# KiCad board cm4-printing-deck-keyboard.kicad_pcb
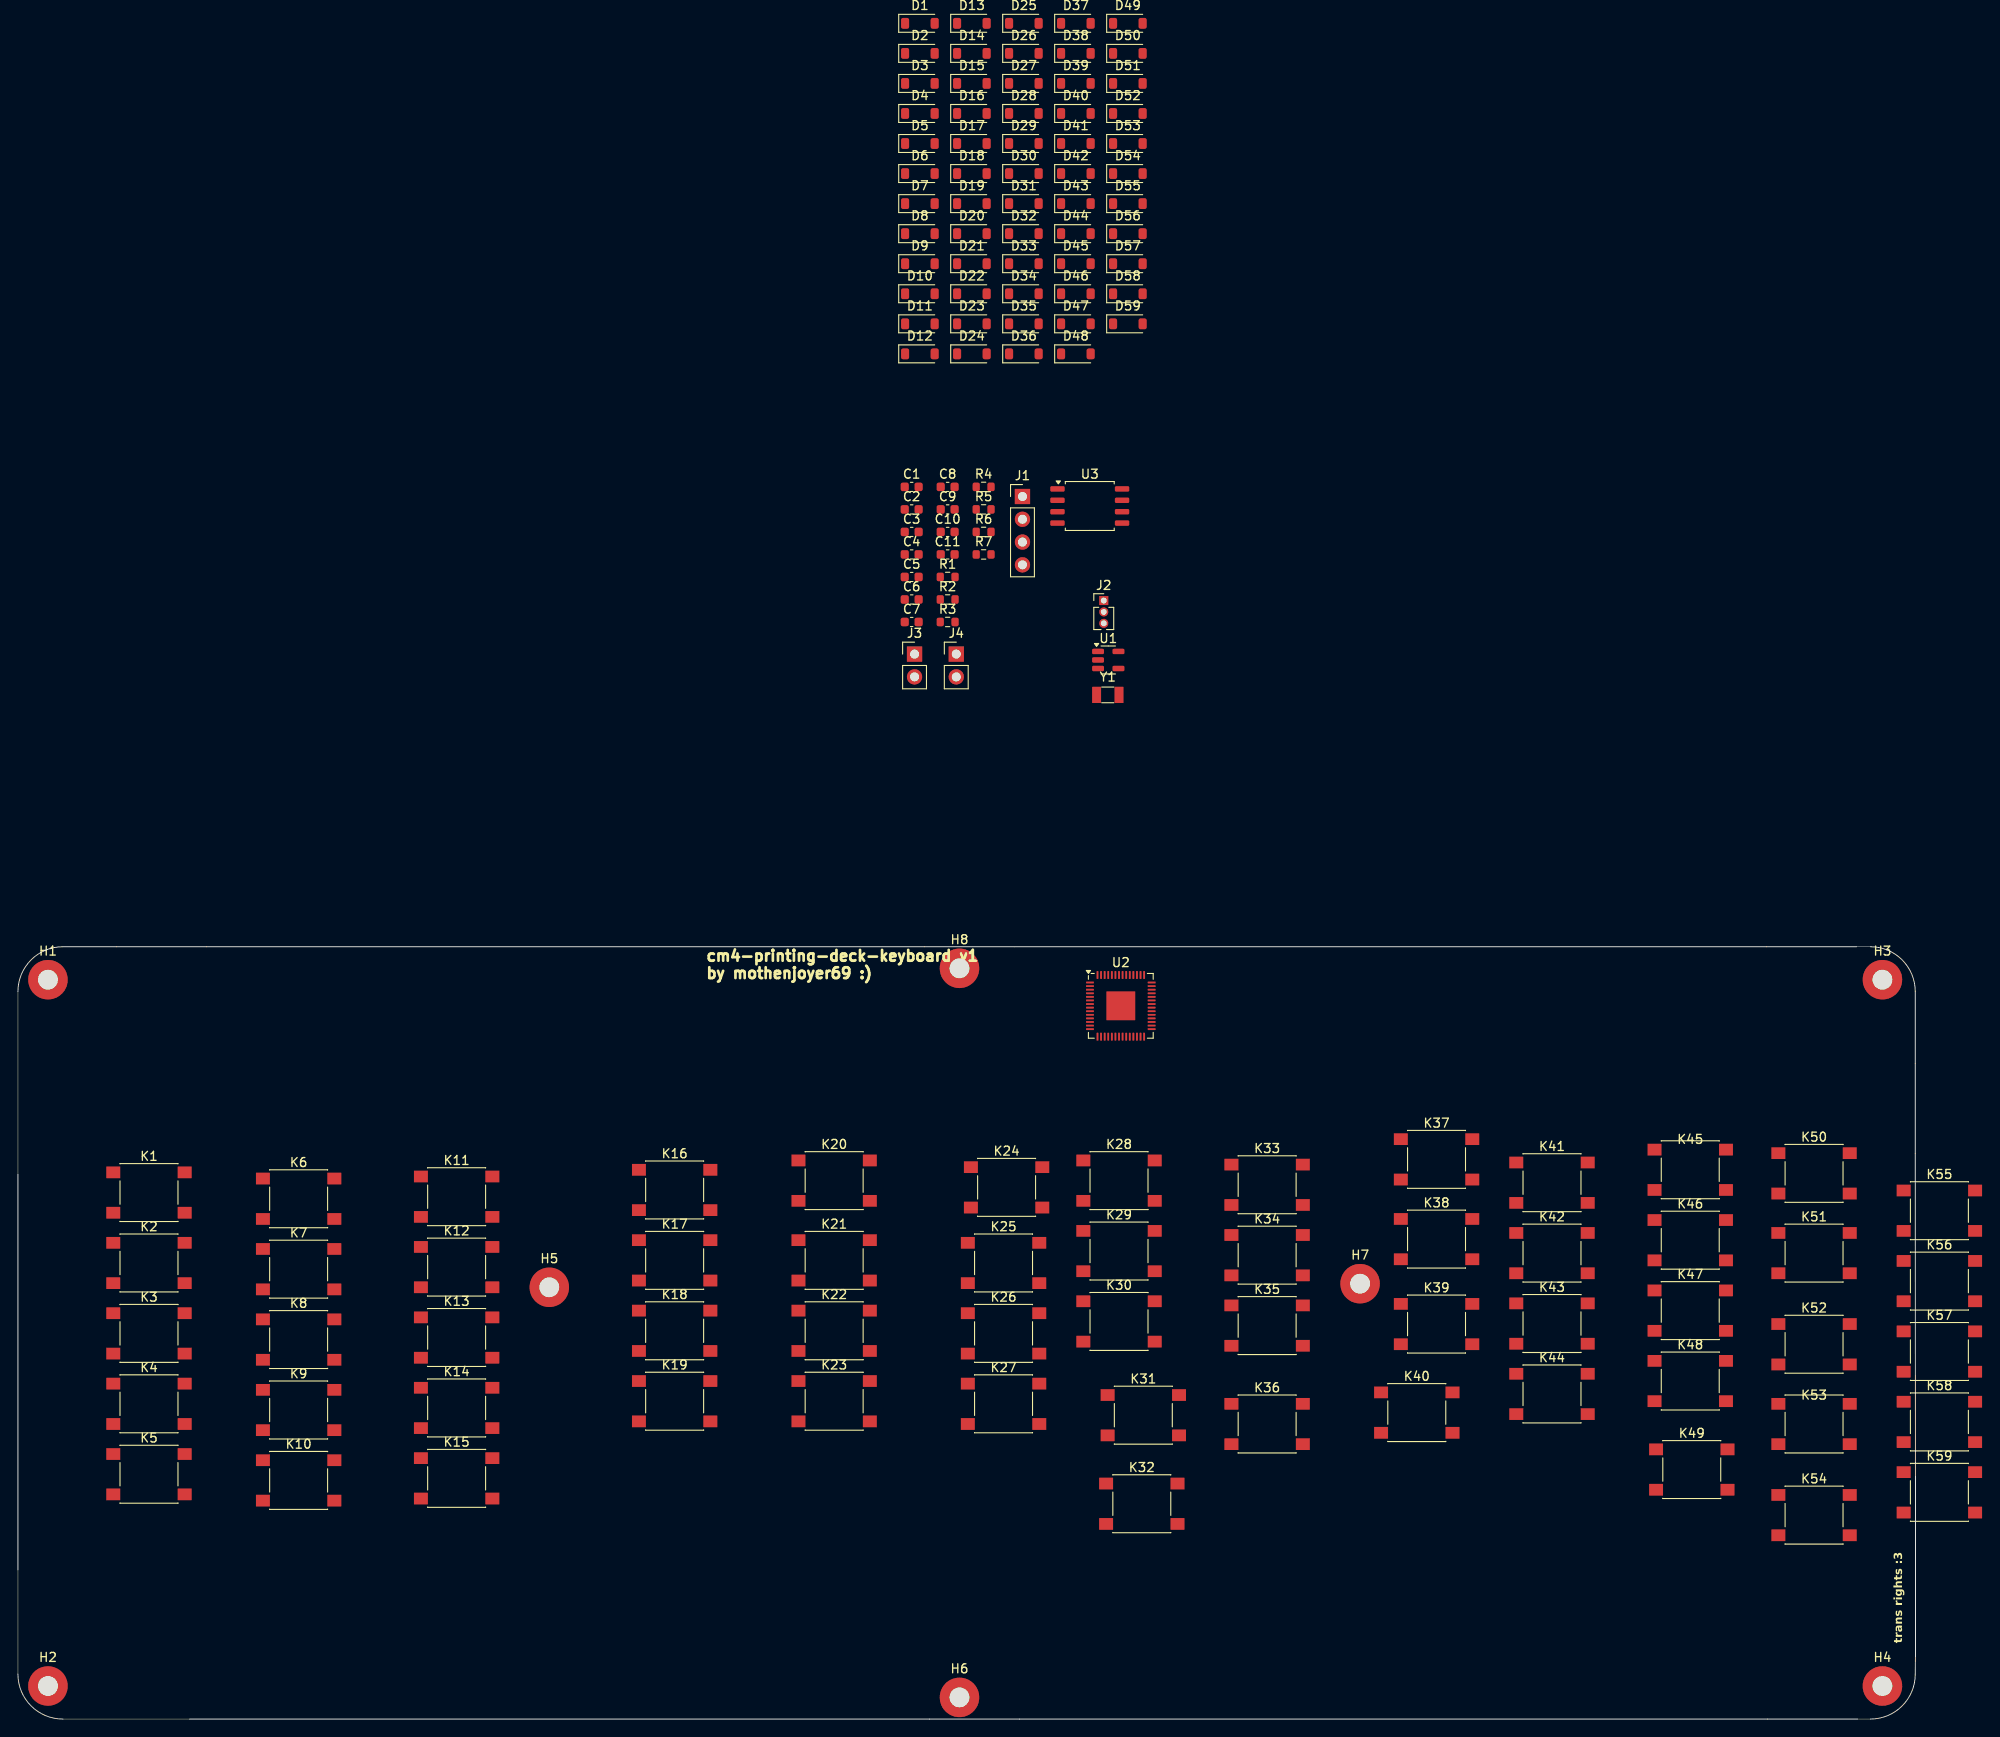
[diagram p0: board, top side]
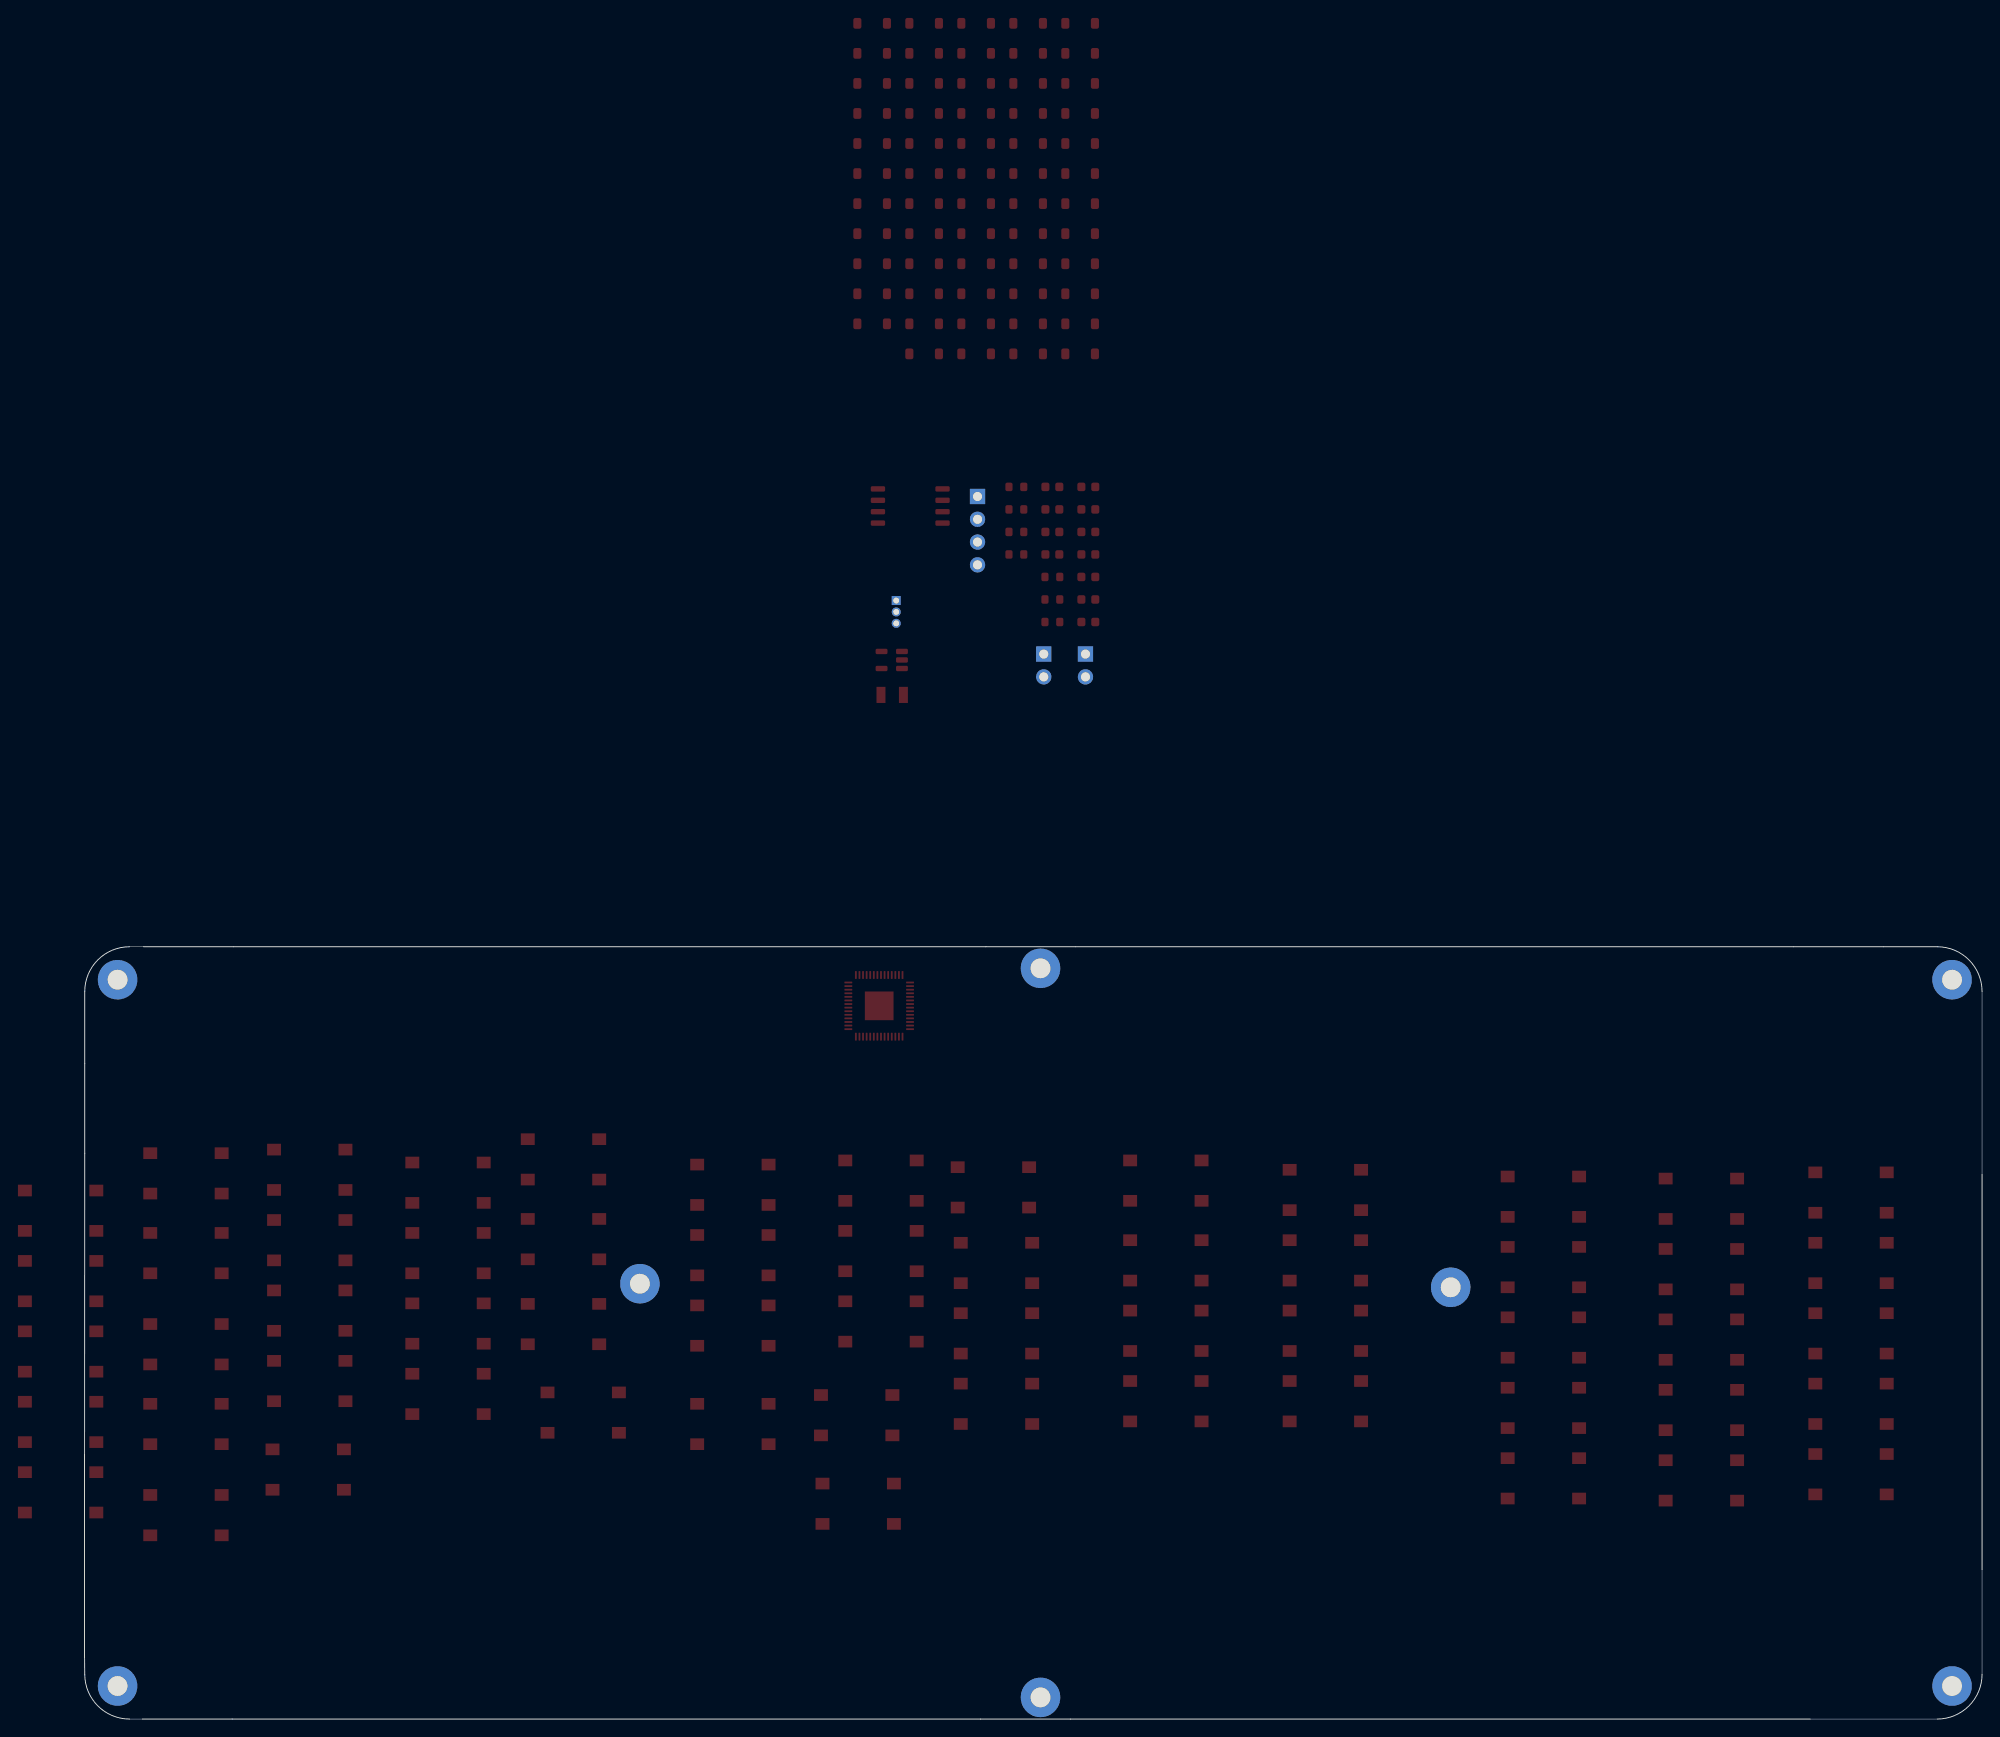
[diagram p1: board, bottom side, seen from below]

Outline 211.5 x 86.1 mm; copper layers: Top, Bottom. Coordinates in mm from the lower left corner of the outline.
Outline path: 0,81.1 arc(1.46,84.64) 5,86.1 206.47,86.1 arc(210.01,84.64) 211.47,81.1 211.47,63.07 211.5,17.5 211.5,7.5 211.47,5 arc(210.01,1.46) 206.47,0 5,0 arc(1.46,1.46) 0,5 0,81.1

## Placement (name value [footprint] x y rotation side)
C1  27pF  [C_0603_1608Metric]  99.62 137.36 0 top
C2  27pF  [C_0603_1608Metric]  99.62 134.85 0 top
C3  1uF  [C_0603_1608Metric]  99.62 132.34 0 top
C4  1uF  [C_0603_1608Metric]  99.62 129.83 0 top
C5  1uF  [C_0603_1608Metric]  99.62 127.32 0 top
C6  1uF  [C_0603_1608Metric]  99.62 124.81 0 top
C7  1uF  [C_0603_1608Metric]  99.62 122.3 0 top
C8  1uF  [C_0603_1608Metric]  103.62 137.36 0 top
C9  1uF  [C_0603_1608Metric]  103.62 134.85 0 top
C10  1uF  [C_0603_1608Metric]  103.62 132.34 0 top
C11  0.1uF  [C_0603_1608Metric]  103.62 129.83 0 top
D1  D  [D_SOD-123]  100.53 189.04 0 top
D2  D  [D_SOD-123]  100.53 185.69 0 top
D3  D  [D_SOD-123]  100.53 182.34 0 top
D4  D  [D_SOD-123]  100.53 179 0 top
D5  D  [D_SOD-123]  100.53 175.64 0 top
D6  D  [D_SOD-123]  100.53 172.29 0 top
D7  D  [D_SOD-123]  100.53 168.94 0 top
D8  D  [D_SOD-123]  100.53 165.59 0 top
D9  D  [D_SOD-123]  100.53 162.25 0 top
D10  D  [D_SOD-123]  100.53 158.89 0 top
D11  D  [D_SOD-123]  100.53 155.54 0 top
D12  D  [D_SOD-123]  100.53 152.19 0 top
D13  D  [D_SOD-123]  106.33 189.04 0 top
D14  D  [D_SOD-123]  106.33 185.69 0 top
D15  D  [D_SOD-123]  106.33 182.34 0 top
D16  D  [D_SOD-123]  106.33 179 0 top
D17  D  [D_SOD-123]  106.33 175.64 0 top
D18  D  [D_SOD-123]  106.33 172.29 0 top
D19  D  [D_SOD-123]  106.33 168.94 0 top
D20  D  [D_SOD-123]  106.33 165.59 0 top
D21  D  [D_SOD-123]  106.33 162.25 0 top
D22  D  [D_SOD-123]  106.33 158.89 0 top
D23  D  [D_SOD-123]  106.33 155.54 0 top
D24  D  [D_SOD-123]  106.33 152.19 0 top
D25  D  [D_SOD-123]  112.12 189.04 0 top
D26  D  [D_SOD-123]  112.12 185.69 0 top
D27  D  [D_SOD-123]  112.12 182.34 0 top
D28  D  [D_SOD-123]  112.12 179 0 top
D29  D  [D_SOD-123]  112.12 175.64 0 top
D30  D  [D_SOD-123]  112.12 172.29 0 top
D31  D  [D_SOD-123]  112.12 168.94 0 top
D32  D  [D_SOD-123]  112.12 165.59 0 top
D33  D  [D_SOD-123]  112.12 162.25 0 top
D34  D  [D_SOD-123]  112.12 158.89 0 top
D35  D  [D_SOD-123]  112.12 155.54 0 top
D36  D  [D_SOD-123]  112.12 152.19 0 top
D37  D  [D_SOD-123]  117.91 189.04 0 top
D38  D  [D_SOD-123]  117.91 185.69 0 top
D39  D  [D_SOD-123]  117.91 182.34 0 top
D40  D  [D_SOD-123]  117.91 179 0 top
D41  D  [D_SOD-123]  117.91 175.64 0 top
D42  D  [D_SOD-123]  117.91 172.29 0 top
D43  D  [D_SOD-123]  117.91 168.94 0 top
D44  D  [D_SOD-123]  117.91 165.59 0 top
D45  D  [D_SOD-123]  117.91 162.25 0 top
D46  D  [D_SOD-123]  117.91 158.89 0 top
D47  D  [D_SOD-123]  117.91 155.54 0 top
D48  D  [D_SOD-123]  117.91 152.19 0 top
D49  D  [D_SOD-123]  123.71 189.04 0 top
D50  D  [D_SOD-123]  123.71 185.69 0 top
D51  D  [D_SOD-123]  123.71 182.34 0 top
D52  D  [D_SOD-123]  123.71 179 0 top
D53  D  [D_SOD-123]  123.71 175.64 0 top
D54  D  [D_SOD-123]  123.71 172.29 0 top
D55  D  [D_SOD-123]  123.71 168.94 0 top
D56  D  [D_SOD-123]  123.71 165.59 0 top
D57  D  [D_SOD-123]  123.71 162.25 0 top
D58  D  [D_SOD-123]  123.71 158.89 0 top
D59  D  [D_SOD-123]  123.71 155.54 0 top
H1  MountingHole  [MountingHole_2.2mm_M2_Pad]  3.34 82.42 0 top
H2  MountingHole  [MountingHole_2.2mm_M2_Pad]  3.34 3.68 0 top
H3  MountingHole  [MountingHole_2.2mm_M2_Pad]  207.81 82.42 0 top
H4  MountingHole  [MountingHole_2.2mm_M2_Pad]  207.81 3.68 0 top
H5  MountingHole  [MountingHole_2.2mm_M2_Pad]  59.23 48.13 0 top
H6  MountingHole  [MountingHole_2.2mm_M2_Pad]  104.94 2.41 0 top
H7  MountingHole  [MountingHole_2.2mm_M2_Pad]  149.59 48.53 0 top
H8  MountingHole  [MountingHole_2.2mm_M2_Pad]  104.94 83.69 0 top
J1  KB_USB  [PinHeader_1x04_P2.54mm_Vertical]  111.97 136.29 0 top
J2  debug  [PinHeader_1x03_P1.27mm_Vertical]  121.03 124.69 0 top
J3  Reset  [PinHeader_1x02_P2.54mm_Vertical]  99.94 118.72 0 top
J4  Boot pins  [PinHeader_1x02_P2.54mm_Vertical]  104.59 118.72 0 top
K1  KEYSW  [SW_SPST_PTS645]  14.6 58.69 0 top
K2  KEYSW  [SW_SPST_PTS645]  14.6 50.84 0 top
K3  KEYSW  [SW_SPST_PTS645]  14.6 42.99 0 top
K4  KEYSW  [SW_SPST_PTS645]  14.6 35.14 0 top
K5  KEYSW  [SW_SPST_PTS645]  14.6 27.29 0 top
K6  KEYSW  [SW_SPST_PTS645]  31.29 58 0 top
K7  KEYSW  [SW_SPST_PTS645]  31.29 50.15 0 top
K8  KEYSW  [SW_SPST_PTS645]  31.29 42.3 0 top
K9  KEYSW  [SW_SPST_PTS645]  31.29 34.45 0 top
K10  KEYSW  [SW_SPST_PTS645]  31.29 26.6 0 top
K11  KEYSW  [SW_SPST_PTS645]  48.9 58.23 0 top
K12  KEYSW  [SW_SPST_PTS645]  48.9 50.38 0 top
K13  KEYSW  [SW_SPST_PTS645]  48.9 42.53 0 top
K14  KEYSW  [SW_SPST_PTS645]  48.9 34.68 0 top
K15  KEYSW  [SW_SPST_PTS645]  48.9 26.83 0 top
K16  KEYSW  [SW_SPST_PTS645]  73.19 58.98 0 top
K17  KEYSW  [SW_SPST_PTS645]  73.19 51.13 0 top
K18  KEYSW  [SW_SPST_PTS645]  73.19 43.28 0 top
K19  KEYSW  [SW_SPST_PTS645]  73.19 35.43 0 top
K20  KEYSW  [SW_SPST_PTS645]  90.97 60.02 0 top
K21  KEYSW  [SW_SPST_PTS645]  90.97 51.13 0 top
K22  KEYSW  [SW_SPST_PTS645]  90.97 43.28 0 top
K23  KEYSW  [SW_SPST_PTS645]  90.97 35.43 0 top
K24  KEYSW  [SW_SPST_PTS645]  110.19 59.27 0 top
K25  KEYSW  [SW_SPST_PTS645]  109.86 50.84 0 top
K26  KEYSW  [SW_SPST_PTS645]  109.86 42.99 0 top
K27  KEYSW  [SW_SPST_PTS645]  109.86 35.14 0 top
K28  KEYSW  [SW_SPST_PTS645]  122.72 60.02 0 top
K29  KEYSW  [SW_SPST_PTS645]  122.72 52.17 0 top
K30  KEYSW  [SW_SPST_PTS645]  122.72 44.32 0 top
K31  KEYSW  [SW_SPST_PTS645]  125.44 33.88 0 top
K32  KEYSW  [SW_SPST_PTS645]  125.27 24 0 top
K33  KEYSW  [SW_SPST_PTS645]  139.24 59.56 0 top
K34  KEYSW  [SW_SPST_PTS645]  139.24 51.71 0 top
K35  KEYSW  [SW_SPST_PTS645]  139.24 43.86 0 top
K36  KEYSW  [SW_SPST_PTS645]  139.24 32.89 0 top
K37  KEYSW  [SW_SPST_PTS645]  158.12 62.39 0 top
K38  KEYSW  [SW_SPST_PTS645]  158.12 53.5 0 top
K39  KEYSW  [SW_SPST_PTS645]  158.12 44.03 0 top
K40  KEYSW  [SW_SPST_PTS645]  155.91 34.16 0 top
K41  KEYSW  [SW_SPST_PTS645]  170.99 59.79 0 top
K42  KEYSW  [SW_SPST_PTS645]  170.99 51.94 0 top
K43  KEYSW  [SW_SPST_PTS645]  170.99 44.09 0 top
K44  KEYSW  [SW_SPST_PTS645]  170.99 36.24 0 top
K45  KEYSW  [SW_SPST_PTS645]  186.4 61.23 0 top
K46  KEYSW  [SW_SPST_PTS645]  186.4 53.38 0 top
K47  KEYSW  [SW_SPST_PTS645]  186.4 45.53 0 top
K48  KEYSW  [SW_SPST_PTS645]  186.4 37.68 0 top
K49  KEYSW  [SW_SPST_PTS645]  186.56 27.81 0 top
K50  KEYSW  [SW_SPST_PTS645]  200.19 60.83 0 top
K51  KEYSW  [SW_SPST_PTS645]  200.19 51.94 0 top
K52  KEYSW  [SW_SPST_PTS645]  200.19 41.78 0 top
K53  KEYSW  [SW_SPST_PTS645]  200.19 32.89 0 top
K54  KEYSW  [SW_SPST_PTS645]  200.19 22.73 0 top
K55  KEYSW  [SW_SPST_PTS645]  214.16 56.67 0 top
K56  KEYSW  [SW_SPST_PTS645]  214.16 48.82 0 top
K57  KEYSW  [SW_SPST_PTS645]  214.16 40.97 0 top
K58  KEYSW  [SW_SPST_PTS645]  214.16 33.12 0 top
K59  KEYSW  [SW_SPST_PTS645]  214.16 25.27 0 top
R1  DNP  [R_0603_1608Metric]  103.62 127.32 0 top
R2  1k  [R_0603_1608Metric]  103.62 124.81 0 top
R3  27r  [R_0603_1608Metric]  103.62 122.3 0 top
R4  27r  [R_0603_1608Metric]  107.63 137.36 0 top
R5  10k  [R_0603_1608Metric]  107.63 134.85 0 top
R6  1k  [R_0603_1608Metric]  107.63 132.34 0 top
R7  10k  [R_0603_1608Metric]  107.63 129.83 0 top
U1  AP2112K-3.3  [SOT-23-5]  121.53 118.07 0 top
U2  RP2040  [QFN-56-1EP_7x7mm_P0.4mm_EP3.2x3.2mm]  122.93 79.51 0 top
U3  W25Q128JVS  [SOIC-8_5.23x5.23mm_P1.27mm]  119.47 135.23 0 top
Y1  12MHz  [Crystal_SMD_3215-2Pin_3.2x1.5mm]  121.47 114.17 0 top

## Library data of the parts
C1-C11 = -: ki_fp_filters: C_*
D1-D59 = -: ki_fp_filters: TO-???* *_Diode_* *SingleDiode* D_*
H1-H8 = -: Description: Mounting Hole without connection; ki_fp_filters: MountingHole*
J1 = -: Description: Generic connector, single row, 01x04, script generated (kicad-library-utils/schlib/autogen/connector/); ki_fp_filters: Connector*:*_1x??_*
J2-J4 = -: ki_fp_filters: Connector*:*_1x??_*
R1-R7 = -: ki_fp_filters: R_*
U1 = -: Datasheet: https://www.diodes.com/assets/Datasheets/AP2112.pdf; Description: 600mA low dropout linear regulator, with enable pin, 3.8V-6V input voltage range, 3.3V fixed positive output, SOT-23-5; ki_fp_filters: SOT?23?5*
U2 = -: Datasheet: https://datasheets.raspberrypi.com/rp2040/rp2040-datasheet.pdf; ki_fp_filters: QFN*1EP*7x7mm?P0.4mm*
U3 = -: Datasheet: http://www.winbond.com/resource-files/w25q128jv_dtr%20revc%2003272018%20plus.pdf; ki_fp_filters: SOIC*5.23x5.23mm*P1.27mm*
Y1 = -: ki_fp_filters: Crystal*

## Footprints (pads in the part's own frame, mm; a bottom-side part is the same pattern mirrored in y, then rotated)
C_0603_1608Metric
  rrect 0.9x0.95 smd: 1(-0.775,0) 2(0.775,0)
Crystal_SMD_3215-2Pin_3.2x1.5mm
  rect 1x1.8 smd: 1(1.25,0) 2(-1.25,0)
D_SOD-123
  rrect 0.9x1.2 smd: 1(-1.65,0) 2(1.65,0)
MountingHole_2.2mm_M2_Pad
  round 4.4 hole 2.2: 1(0,0)
PinHeader_1x02_P2.54mm_Vertical
  rect 1.7x1.7 hole 1: 1(0,0)
  oval 1.7x1.7 hole 1: 2(0,-2.54)
PinHeader_1x03_P1.27mm_Vertical
  rect 1x1 hole 0.65: 1(0,0)
  oval 1x1 hole 0.65: 2(0,-1.27) 3(0,-2.54)
PinHeader_1x04_P2.54mm_Vertical
  rect 1.7x1.7 hole 1: 1(0,0)
  oval 1.7x1.7 hole 1: 2(0,-2.54) 3(0,-5.08) 4(0,-7.62)
QFN-56-1EP_7x7mm_P0.4mm_EP3.2x3.2mm
  rrect 1.29x1.29 smd: (-0.8,0.8) (-0.8,-0.8) (0.8,0.8) (0.8,-0.8)
  rrect 0.875x0.2 smd: 1(-3.438,2.6) 2(-3.438,2.2) 3(-3.438,1.8) 4(-3.438,1.4) 5(-3.438,1) 6(-3.438,0.6) 7(-3.438,0.2) 8(-3.438,-0.2) 9(-3.438,-0.6) 10(-3.438,-1) 11(-3.438,-1.4) 12(-3.438,-1.8) 13(-3.438,-2.2) 14(-3.438,-2.6) 29(3.438,-2.6) 30(3.438,-2.2) 31(3.438,-1.8) 32(3.438,-1.4) 33(3.438,-1) 34(3.438,-0.6) 35(3.438,-0.2) 36(3.438,0.2) 37(3.438,0.6) 38(3.438,1) 39(3.438,1.4) 40(3.438,1.8) 41(3.438,2.2) 42(3.438,2.6)
  rrect 0.2x0.875 smd: 15(-2.6,-3.438) 16(-2.2,-3.438) 17(-1.8,-3.438) 18(-1.4,-3.438) 19(-1,-3.438) 20(-0.6,-3.438) 21(-0.2,-3.438) 22(0.2,-3.438) 23(0.6,-3.438) 24(1,-3.438) 25(1.4,-3.438) 26(1.8,-3.438) 27(2.2,-3.438) 28(2.6,-3.438) 43(2.6,3.438) 44(2.2,3.438) 45(1.8,3.438) 46(1.4,3.438) 47(1,3.438) 48(0.6,3.438) 49(0.2,3.438) 50(-0.2,3.438) 51(-0.6,3.438) 52(-1,3.438) 53(-1.4,3.438) 54(-1.8,3.438) 55(-2.2,3.438) 56(-2.6,3.438)
  rect 3.2x3.2 smd: 57(0,0)
R_0603_1608Metric
  rrect 0.8x0.95 smd: 1(-0.825,0) 2(0.825,0)
SOIC-8_5.23x5.23mm_P1.27mm
  rrect 1.6x0.6 smd: 1(-3.6,1.905) 2(-3.6,0.635) 3(-3.6,-0.635) 4(-3.6,-1.905) 5(3.6,-1.905) 6(3.6,-0.635) 7(3.6,0.635) 8(3.6,1.905)
SOT-23-5
  rrect 1.325x0.6 smd: 1(-1.137,0.95) 2(-1.137,0) 3(-1.137,-0.95) 4(1.137,-0.95) 5(1.137,0.95)
SW_SPST_PTS645
  rect 1.55x1.3 smd: 1(-3.98,2.25) 1(3.98,2.25) 2(-3.98,-2.25) 2(3.98,-2.25)

## Nets
3V3_RP: C3.1 C4.1 C5.1 C6.1 C7.1 C8.1 C9.1 C10.1 C11.1 R7.2 U1.5 U2.43 U2.44 U2.48 U3.8
+1V1: U2.23 U2.45 U2.50
+5V: J1.4 U1.1
GND: C1.2 C2.2 C3.2 C4.2 C5.2 C6.2 C7.2 C8.2 C9.2 C10.2 C11.2 J1.1 J2.1 J3.1 J4.1 U1.2 U2.19 U2.57 U3.4
BOOT_MODE: J4.2 R6.1
col0: K1.2 K2.2 K3.2 K4.2 K5.2 U2.6
col1: K6.2 K7.2 K8.2 K9.2 K10.2 U2.7
col2: K11.2 K12.2 K13.2 K14.2 K15.2 U2.8
col3: K16.2 K17.2 K18.2 K19.2 U2.9
col4: K20.2 K21.2 K22.2 K23.2 U2.11
col5: K24.2 K25.2 K26.2 K27.2 U2.12
col6: K28.2 K29.2 K30.2 K31.2 K32.2 U2.13
col7: K33.2 K34.2 K35.2 K36.2 U2.14
col8: K37.2 K38.2 K39.2 K40.2 U2.15
col9: K41.2 K42.2 K43.2 K44.2 U2.16
col10: K45.2 K46.2 K47.2 K48.2 K49.2 U2.17
col11: K50.2 K51.2 K52.2 K53.2 K54.1 U2.18
col12: K55.2 K56.2 K57.2 U2.27
col13: K58.2 K59.2 U2.28
col14: U2.29
QSPI_CS: R6.2 R7.1 U2.56 U3.1
QSPI_SCK: U2.52 U3.6
QSPI_SD0: U2.53 U3.5
QSPI_SD1: U2.55 U3.2
QSPI_SD2: U2.54 U3.3
QSPI_SD3: U2.51 U3.7
row0: D1.1 D6.1 D11.1 D16.1 D20.1 D24.1 D28.1 D33.1 D37.1 D41.1 D45.1 D50.1 D55.1 D58.1 U2.32
row1: D2.1 D7.1 D12.1 D17.1 D21.1 D25.1 D29.1 D34.1 D38.1 D42.1 D46.1 D51.1 D56.1 D59.1 U2.34
row2: D3.1 D8.1 D13.1 D18.1 D22.1 D26.1 D30.1 D35.1 D39.1 D43.1 D47.1 D52.1 D57.1 U2.35
row3: D4.1 D9.1 D14.1 D19.1 D23.1 D27.1 D31.1 D36.1 D40.1 D44.1 D48.1 D53.1 U2.36
row4: D5.1 D10.1 D15.1 D32.1 D49.1 D54.1 U2.37
RUN: J3.2 R5.2 U2.26
SWCLK: J2.3 U2.24
SWD: J2.2 U2.25
USB_N: J1.2 R4.2
USB_P: J1.3 R3.1
XIN: C1.1 R1.1 U2.20 Y1.1
XOUT: R1.2 R2.1 U2.21
Net-(C2-Pad1): C2.1 R2.2 Y1.2
Net-(D1-A): D1.2 K1.1
Net-(D2-A): D2.2 K2.1
Net-(D3-A): D3.2 K3.1
Net-(D4-A): D4.2 K4.1
Net-(D5-A): D5.2 K5.1
Net-(D6-A): D6.2 K6.1
Net-(D7-A): D7.2 K7.1
Net-(D8-A): D8.2 K8.1
Net-(D9-A): D9.2 K9.1
Net-(D10-A): D10.2 K10.1
Net-(D11-A): D11.2 K11.1
Net-(D12-A): D12.2 K12.1
Net-(D13-A): D13.2 K13.1
Net-(D14-A): D14.2 K14.1
Net-(D15-A): D15.2 K15.1
Net-(D16-A): D16.2 K16.1
Net-(D17-A): D17.2 K17.1
Net-(D18-A): D18.2 K18.1
Net-(D19-A): D19.2 K19.1
Net-(D20-A): D20.2 K20.1
Net-(D21-A): D21.2 K21.1
Net-(D22-A): D22.2 K22.1
Net-(D23-A): D23.2 K23.1
Net-(D24-A): D24.2 K24.1
Net-(D25-A): D25.2 K25.1
Net-(D26-A): D26.2 K26.1
Net-(D27-A): D27.2 K27.1
Net-(D28-A): D28.2 K28.1
Net-(D29-A): D29.2 K29.1
Net-(D30-A): D30.2 K30.1
Net-(D31-A): D31.2 K31.1
Net-(D32-A): D32.2 K32.1
Net-(D33-A): D33.2 K33.1
Net-(D34-A): D34.2 K34.1
Net-(D35-A): D35.2 K35.1
Net-(D36-A): D36.2 K36.1
Net-(D37-A): D37.2 K37.1
Net-(D38-A): D38.2 K38.1
Net-(D39-A): D39.2 K39.1
Net-(D40-A): D40.2 K40.1
Net-(D41-A): D41.2 K41.1
Net-(D42-A): D42.2 K42.1
Net-(D43-A): D43.2 K43.1
Net-(D44-A): D44.2 K44.1
Net-(D45-A): D45.2 K45.1
Net-(D46-A): D46.2 K46.1
Net-(D47-A): D47.2 K47.1
Net-(D48-A): D48.2 K48.1
Net-(D49-A): D49.2 K49.1
Net-(D50-A): D50.2 K50.1
Net-(D51-A): D51.2 K51.1
Net-(D52-A): D52.2 K52.1
Net-(D53-A): D53.2 K53.1
Net-(D54-A): D54.2 K54.2
Net-(D55-A): D55.2 K55.1
Net-(D56-A): D56.2 K56.1
Net-(D57-A): D57.2 K57.1
Net-(D58-A): D58.2 K58.1
Net-(D59-A): D59.2 K59.1
Net-(R5-Pad1): R5.1 U2.1 U2.10 U2.22 U2.33 U2.42 U2.49
Net-(U2-USB_DM): R4.1 U2.46
Net-(U2-USB_DP): R3.2 U2.47

Pads without a net: H1 1; H2 1; H3 1; H4 1; H5 1; H6 1; H7 1; H8 1; U1 3 4; U2 2 3 4 5 30 31 38 39 40 41

## Copper pours and planes (outline as drawn; the poured copper is in the pictures)
GND on Top, Bottom: 0.1,-109.45 211.43,-109.61 211.62,-195.78 -0.12,-195.71

## Text on the board
F.Silkscreen: cm4-printing-deck-keyboard v1 / by mothenjoyer69 :) | trans rights :3
